# KiCad board analog_frontend_panel.kicad_pcb
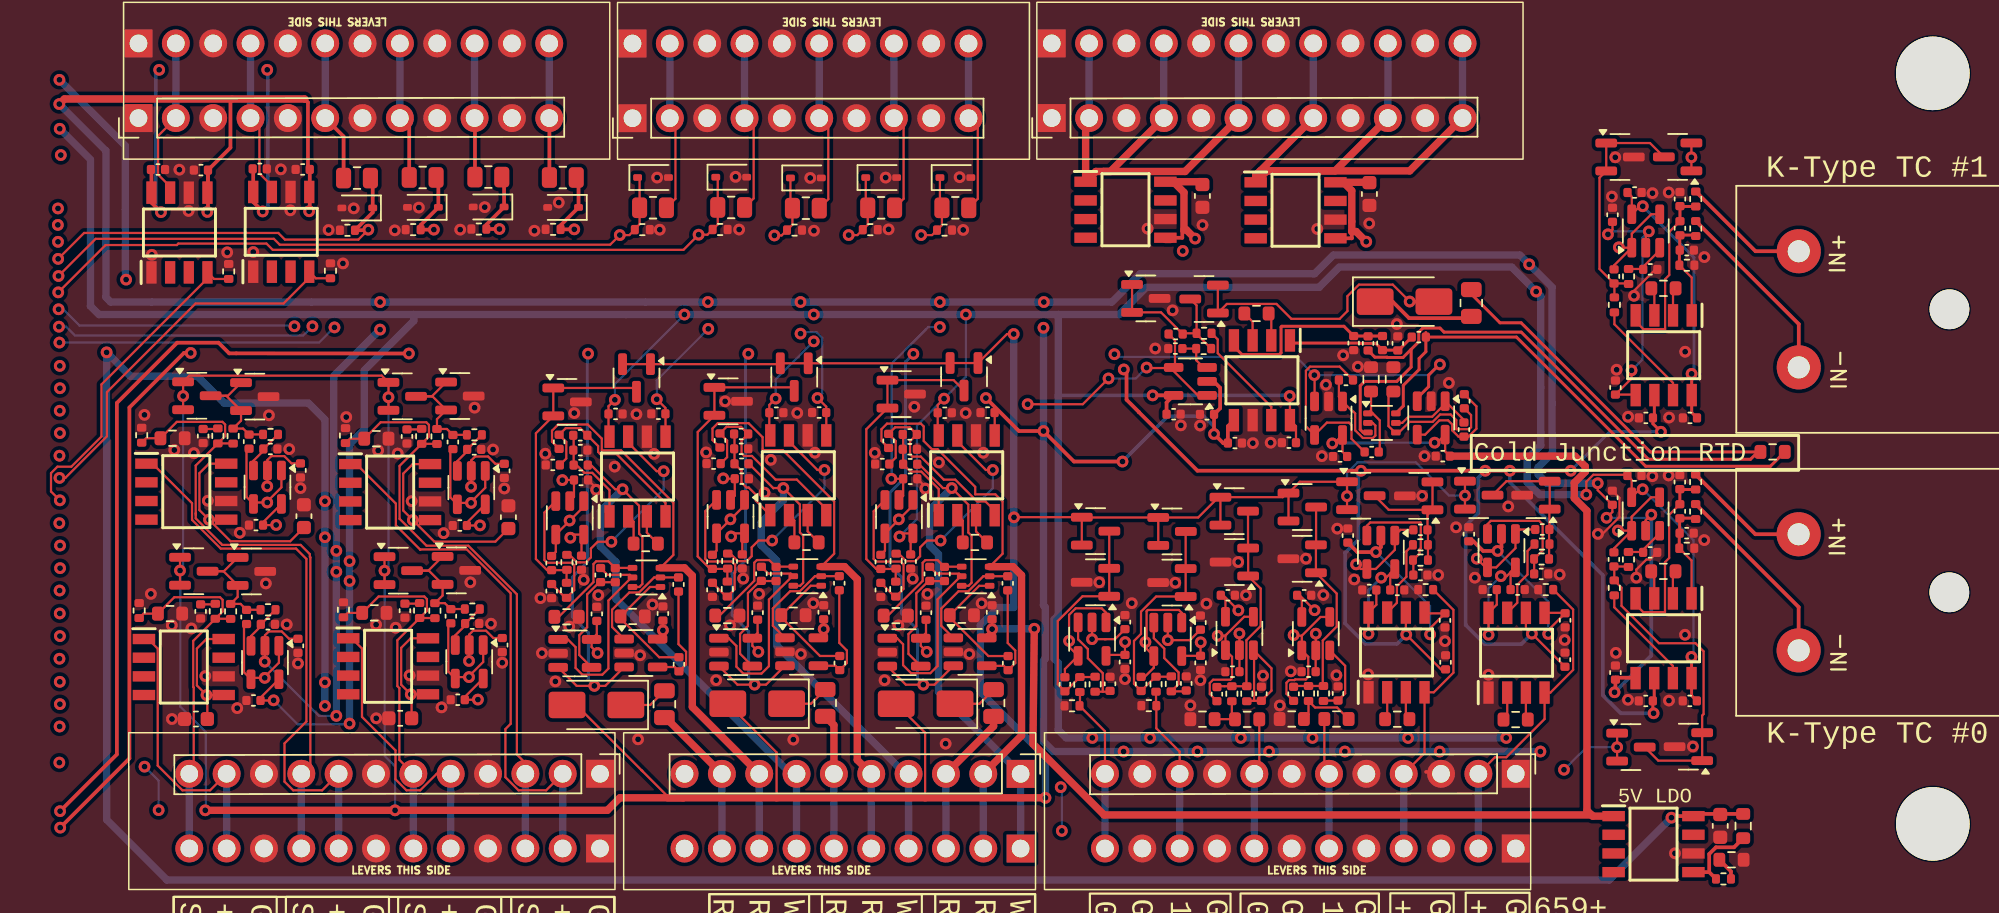
[diagram p0: board, top side]
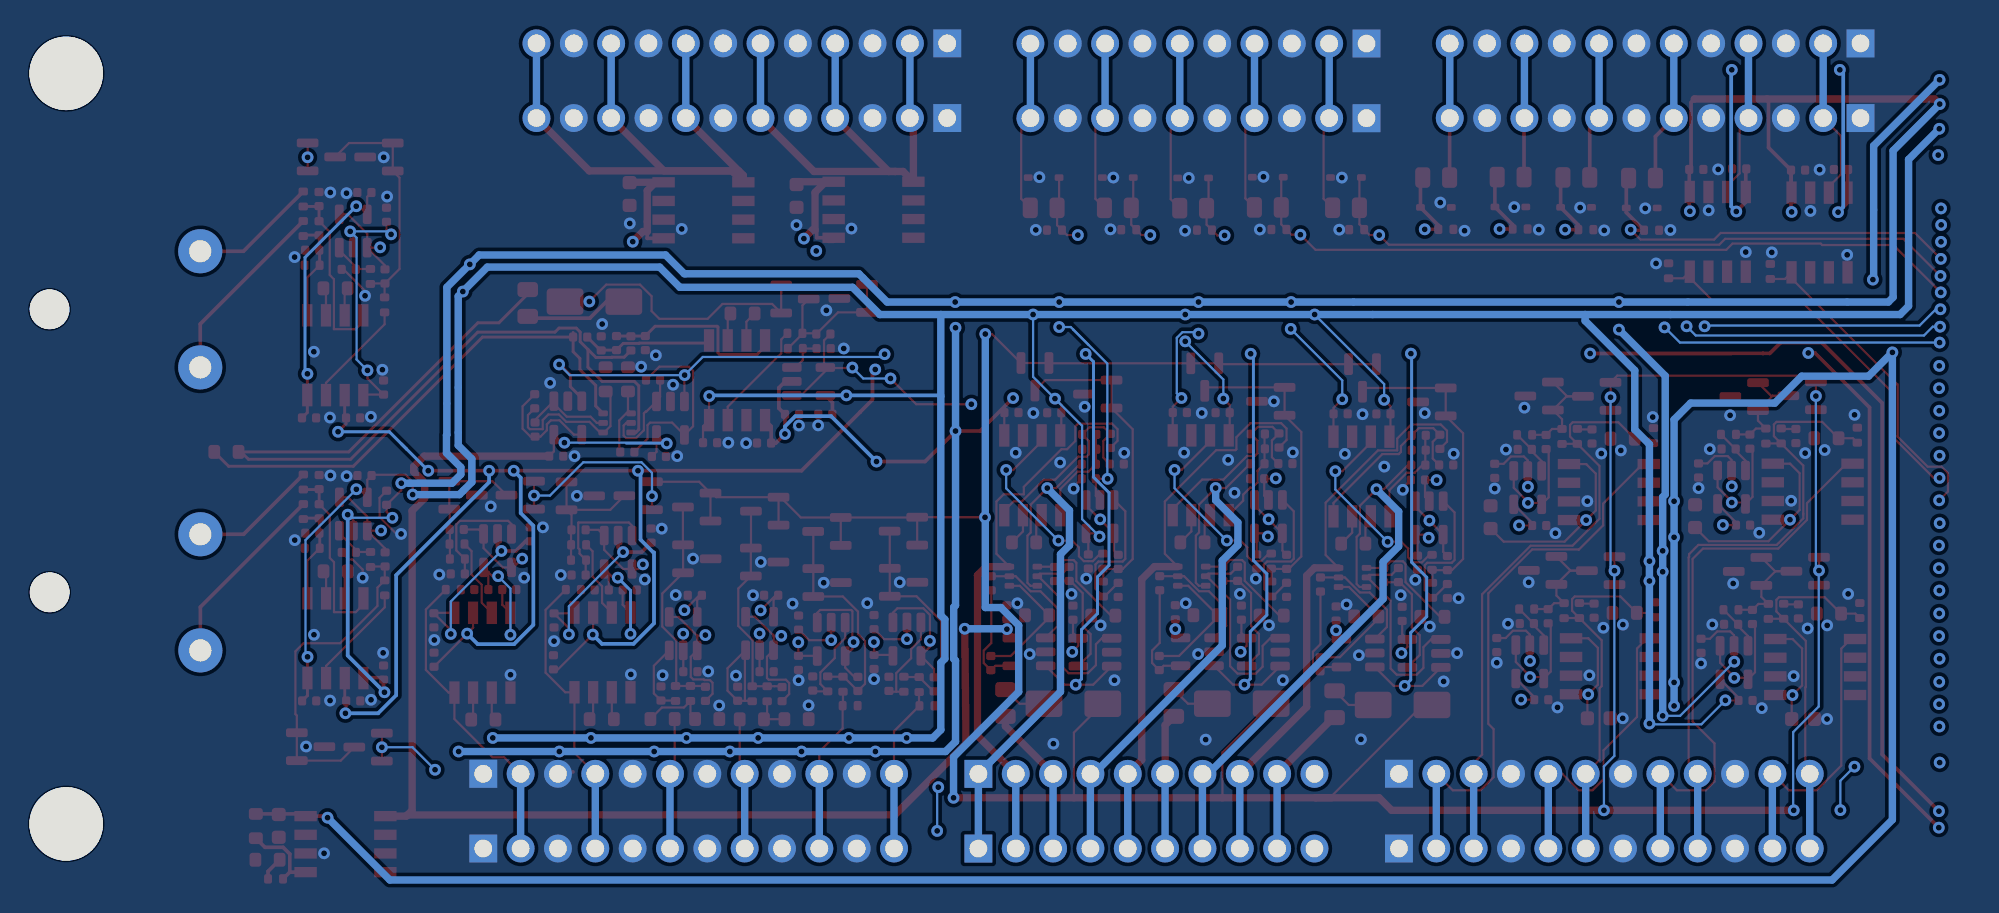
[diagram p1: board, bottom side, seen from below]

No outline. copper layers: Top, In1.Cu, In2.Cu, Bottom. Coordinates in mm from the lowest, leftmost part position.
Stack: Top 0.035mm / dielectric 1.51mm FR4 er 4.5 / In1.Cu 0.035mm / dielectric 1.51mm FR4 er 4.5 / In2.Cu 0.035mm / dielectric 1.51mm FR4 er 4.5 / Bottom 0.035mm

## Placement (name value [footprint] x y rotation side)
C1  2.2uF  [C_0402_1005Metric]  104.84 26.99 90 top
C2  1uF  [C_0402_1005Metric]  104.84 25.01 270 top
C3  2.2uF  [C_0402_1005Metric]  105.31 23.52 0 top
C4  0.1uF  [C_0402_1005Metric]  105.52 12.11 180 top
C6  0.1uF  [C_0402_1005Metric]  102.53 12.11 0 top
C7  2.2uF  [C_0402_1005Metric]  104.85 46.24 90 top
C8  1uF  [C_0402_1005Metric]  104.85 44.26 270 top
C9  2.2uF  [C_0402_1005Metric]  105.32 42.77 0 top
C10  0.1uF  [C_0402_1005Metric]  105.53 31.36 180 top
C12  0.1uF  [C_0402_1005Metric]  102.53 31.36 0 top
C25  10nF  [C_0402_1005Metric]  4.23 18.2 270 top
C28  10nF  [C_0402_1005Metric]  4.4 30.12 270 top
C31  10nF  [C_0402_1005Metric]  18.12 18.25 270 top
C34  10nF  [C_0402_1005Metric]  18.26 30.1 270 top
C49  2.2uF  [C_0402_1005Metric]  28.18 28.16 0 top
C50  1uF  [C_0402_1005Metric]  30.05 30.18 180 top
C51  2.2uF  [C_0402_1005Metric]  30.05 29.17 0 top
C52  0.1uF  [C_0402_1005Metric]  32.45 31.63 0 top
C55  0.1uF  [C_0402_1005Metric]  35.67 18.05 90 top
C58  0.1uF  [C_0402_1005Metric]  31.17 18.03 90 top
C60  2.2uF  [C_0402_1005Metric]  82.66 36.45 90 top
C61  1uF  [C_0402_1005Metric]  84.62 36.45 270 top
C62  2.2uF  [C_0402_1005Metric]  85.66 36.43 90 top
C63  0.1uF  [C_0402_1005Metric]  78.25 29.67 180 top
C66  0.1uF  [C_0402_1005Metric]  81.73 28.73 180 top
C69  0.1uF  [C_0402_1005Metric]  88.72 28.76 180 top
C71  2.2uF  [C_0402_1005Metric]  39.12 28.25 0 top
C72  1uF  [C_0402_1005Metric]  40.99 30.27 180 top
C73  2.2uF  [C_0402_1005Metric]  40.99 29.26 0 top
C74  0.1uF  [C_0402_1005Metric]  43.39 31.71 0 top
C77  0.1uF  [C_0402_1005Metric]  46.61 18.14 90 top
C80  0.1uF  [C_0402_1005Metric]  42.11 18.11 90 top
C82  2.2uF  [C_0402_1005Metric]  50.59 28.22 0 top
C83  1uF  [C_0402_1005Metric]  52.46 30.24 180 top
C84  2.2uF  [C_0402_1005Metric]  52.46 29.23 0 top
C85  0.1uF  [C_0402_1005Metric]  54.84 31.71 0 top
C88  0.1uF  [C_0402_1005Metric]  58.06 18.13 90 top
C91  0.1uF  [C_0402_1005Metric]  53.57 18.11 90 top
C1001  0.1uF 50V 0603  [C_0603_1608Metric]  107.59 3.61 90 top
C1002  0.1uF 50V 0603  [C_0603_1608Metric]  83.73 46.59 90 top
C1003  0.1uF 50V 0603  [C_0603_1608Metric]  72.37 46.46 90 top
C5001  10nF C0G 5%  [C_0402_1005Metric]  102.82 22.21 180 top
C5002  10nF C0G 5%  [C_0402_1005Metric]  100.36 21.73 90 top
C5003  0.1uF  [C_0402_1005Metric]  101.76 27.44 180 top
C5004  0.1uF  [C_0402_1005Metric]  100.26 45.18 270 top
C6001  0.1uF  [C_0402_1005Metric]  100.46 33.43 270 top
C7001  0.1uF  [C_0402_1005Metric]  100.46 14.03 270 top
C8001  10nF C0G 5%  [C_0402_1005Metric]  102.83 41.46 180 top
C8002  10nF C0G 5%  [C_0402_1005Metric]  100.37 40.98 90 top
C8003  0.1uF  [C_0402_1005Metric]  101.76 46.69 180 top
C8004  0.1uF  [C_0402_1005Metric]  100.25 25.93 270 top
C9001  10nF C0G 5%  [C_0402_1005Metric]  87.19 20.67 180 top
C9002  10nF C0G 5%  [C_0402_1005Metric]  87.2 23.74 180 top
C9003  0.1uF  [C_0402_1005Metric]  85.62 19.65 180 top
C9004  0.1uF  [C_0402_1005Metric]  82.26 23.36 270 top
C10001  0.1uF 50V 0603  [C_0603_1608Metric]  3.91 10.88 0 top
C11001  0.1uF 50V 0603  [C_0603_1608Metric]  11.25 24.68 270 top
C12001  0.1uF 50V 0603  [C_0603_1608Metric]  17.8 10.93 0 top
C13001  0.1uF 50V 0603  [C_0603_1608Metric]  25.16 24.61 270 top
C14001  10nF C0G 5%  [C_0402_1005Metric]  95.41 20.75 180 top
C14002  10nF C0G 5%  [C_0402_1005Metric]  95.49 23.77 180 top
C14003  0.1uF  [C_0402_1005Metric]  93.81 19.68 180 top
C14004  0.1uF  [C_0402_1005Metric]  90.49 23.45 270 top
C15001  10nF C0G 5%  [C_0402_1005Metric]  28.1 19.58 90 top
C15002  10nF C0G 5%  [C_0402_1005Metric]  28.1 21.48 90 top
C15003  0.1uF  [C_0402_1005Metric]  30.13 21.51 90 top
C15004  0.1uF  [C_0402_1005Metric]  30.1 27.14 180 top
C16001  10nF C0G 5%  [C_0402_1005Metric]  8.8 17.32 180 top
C16002  10nF C0G 5%  [C_0402_1005Metric]  7.35 17.82 270 top
C16003  0.1uF  [C_0402_1005Metric]  7.82 12.14 0 top
C16004  0.1uF  [C_0402_1005Metric]  10.85 15.86 90 top
C17001  10nF C0G 5%  [C_0402_1005Metric]  39.04 19.66 90 top
C17002  10nF C0G 5%  [C_0402_1005Metric]  39.04 21.57 90 top
C17003  0.1uF  [C_0402_1005Metric]  41.07 21.59 90 top
C17004  0.1uF  [C_0402_1005Metric]  41.04 27.22 180 top
C18001  10nF C0G 5%  [C_0402_1005Metric]  50.49 19.66 90 top
C18002  10nF C0G 5%  [C_0402_1005Metric]  50.49 21.56 90 top
C18003  0.1uF  [C_0402_1005Metric]  52.52 21.59 90 top
C18004  0.1uF  [C_0402_1005Metric]  52.49 27.22 180 top
C20001  10nF C0G 5%  [C_0402_1005Metric]  70.53 36.07 0 top
C20002  10nF C0G 5%  [C_0402_1005Metric]  70.55 37.06 180 top
C20003  0.1uF  [C_0402_1005Metric]  70.41 31.61 180 top
C20004  0.1uF  [C_0402_1005Metric]  72.68 31.6 0 top
C21001  10nF C0G 5%  [C_0402_1005Metric]  66.09 13.27 270 top
C21002  10nF C0G 5%  [C_0402_1005Metric]  63.01 13.24 90 top
C21003  0.1uF  [C_0402_1005Metric]  67.1 14.76 90 top
C21004  0.1uF  [C_0402_1005Metric]  67.1 17.47 270 top
C24001  10nF C0G 5%  [C_0402_1005Metric]  81.59 12.61 270 top
C24002  10nF C0G 5%  [C_0402_1005Metric]  78.57 12.59 270 top
C24003  0.1uF  [C_0402_1005Metric]  79.29 19.29 180 top
C24004  0.1uF  [C_0402_1005Metric]  79.59 14.1 0 top
C25001  10nF C0G 5%  [C_0402_1005Metric]  71.27 13.29 270 top
C25002  10nF C0G 5%  [C_0402_1005Metric]  68.2 13.26 90 top
C25003  0.1uF  [C_0402_1005Metric]  72.24 14.69 90 top
C25004  0.1uF  [C_0402_1005Metric]  72.23 17.43 270 top
C28001  0.1uF  [C_0402_1005Metric]  7.99 24.06 0 top
C28002  0.1uF  [C_0402_1005Metric]  11.02 27.78 90 top
C30001  10nF C0G 5%  [C_0402_1005Metric]  8.97 29.24 180 top
C30002  10nF C0G 5%  [C_0402_1005Metric]  7.52 29.74 270 top
C30003  0.1uF  [C_0402_1005Metric]  21.72 12.19 0 top
C30004  0.1uF  [C_0402_1005Metric]  24.74 15.91 90 top
C31001  0.1uF  [C_0402_1005Metric]  83.72 19.65 0 top
C31002  0.1uF  [C_0402_1005Metric]  21.86 24.04 0 top
C31003  0.1uF  [C_0402_1005Metric]  24.88 27.75 90 top
C32002  10nF C0G 5%  [C_0402_1005Metric]  22.7 17.37 180 top
C32003  10nF C0G 5%  [C_0402_1005Metric]  21.25 17.87 270 top
C32005  0.1uF  [C_0402_1005Metric]  91.91 19.68 0 top
C32006  0.1uF  [C_0402_1005Metric]  11.17 48.26 0 top
C33002  10nF C0G 5%  [C_0402_1005Metric]  22.84 29.22 180 top
C33003  10nF C0G 5%  [C_0402_1005Metric]  21.39 29.72 270 top
C33006  0.1uF  [C_0402_1005Metric]  88.91 14.73 270 top
C33007  0.1uF  [C_0402_1005Metric]  88.87 17.58 90 top
C34002  0.1uF  [C_0402_1005Metric]  8.25 48.3 180 top
C34003  0.1uF  [C_0402_1005Metric]  97.03 14.91 270 top
C34004  0.1uF  [C_0402_1005Metric]  97.04 17.59 90 top
C37001  0.1uF  [C_0402_1005Metric]  1.33 48.25 180 top
C39003  0.1uF  [C_0402_1005Metric]  4.25 48.21 0 top
C42002  0.1uF  [C_0402_1005Metric]  74.1 19.29 180 top
C42003  0.1uF  [C_0402_1005Metric]  74.41 14.09 0 top
C44001  10nF C0G 5%  [C_0402_1005Metric]  76.38 12.59 270 top
C44002  10nF C0G 5%  [C_0402_1005Metric]  73.35 12.57 270 top
C44004  0.1uF  [C_0402_1005Metric]  74.58 29.65 0 top
C44005  10nF  [C_0402_1005Metric]  82.13 33.94 180 top
C44006  10nF  [C_0402_1005Metric]  90.16 30.57 90 top
C45002  0.1uF  [C_0402_1005Metric]  35.36 31.64 180 top
C45003  10nF  [C_0402_1005Metric]  36.73 20.03 90 top
C45004  10nF  [C_0402_1005Metric]  31.43 20.67 90 top
C46001  0.1uF  [C_0402_1005Metric]  46.3 31.72 180 top
C46002  10nF  [C_0402_1005Metric]  47.67 20.11 90 top
C46003  10nF  [C_0402_1005Metric]  42.37 20.75 90 top
C47001  0.1uF  [C_0402_1005Metric]  57.75 31.72 180 top
C47002  10nF  [C_0402_1005Metric]  59.12 20.11 90 top
C47003  10nF  [C_0402_1005Metric]  53.82 20.75 90 top
D7  D_Schottky  [D_SMA]  31.15 11.83 180 top
D8  D_Schottky  [D_SMA]  86.12 39.27 0 top
D9  D_Schottky  [D_SMA]  42.09 11.92 180 top
D10  D_Schottky  [D_SMA]  53.54 11.91 180 top
D19001  BZT52C5V6S  [D_SOD-323]  19.35 45.68 180 top
D26001  BZT52C5V6S  [D_SOD-323]  23.82 45.71 180 top
D27001  BZT52C5V6S  [D_SOD-323]  28.88 45.68 180 top
D33001  BZT52C5V6S  [D_SOD-323]  14.88 45.64 180 top
D38001  BZT52C5V6S  [D_SOD-323]  35 47.71 0 top
D39001  BZT52C5V6S  [D_SOD-323]  40.32 47.73 0 top
D39002  BZT52C5V6S  [D_SOD-323]  55.56 47.71 0 top
D40001  BZT52C5V6S  [D_SOD-323]  50.52 47.71 0 top
D42001  BZT52C5V6S  [D_SOD-323]  45.4 47.68 0 top
H1001  MountingHole_for_10-32  [MountingHole_5mm]  122.05 3.74 180 top
H1002  MountingHole_for_10-32  [MountingHole_5mm]  122.05 54.8 180 top
IC1  INA826AIDR  [SOIC127P600X175-8N]  103.74 16.37 270 top
IC2  INA826AIDR  [SOIC127P600X175-8N]  103.74 35.62 270 top
IC12  INA826AIDR  [SOIC127P600X175-8N]  33.94 27.37 90 top
IC13  TLV333IDBVR  [SOT-23-5]  34.17 15.36 0 top
IC14  TLV333IDBVR  [SOT-23-5]  29.68 15.34 0 top
IC15  INA826AIDR  [SOIC127P600X175-8N]  76.42 33.92 270 top
IC16  TLV333IDBVR  [SOT-23-5]  80.95 31.34 270 top
IC17  TLV333IDBVR  [SOT-23-5]  87.93 31.36 270 top
IC18  INA826AIDR  [SOIC127P600X175-8N]  44.88 27.46 90 top
IC19  TLV333IDBVR  [SOT-23-5]  45.11 15.45 0 top
IC20  TLV333IDBVR  [SOT-23-5]  40.62 15.42 0 top
IC21  INA826AIDR  [SOIC127P600X175-8N]  56.33 27.45 90 top
IC22  TLV333IDBVR  [SOT-23-5]  56.56 15.44 0 top
IC23  TLV333IDBVR  [SOT-23-5]  52.07 15.42 0 top
IC1001  BD42540FJ-CE2  [SOIC127P600X175-8N]  67.13 45.52 0 top
IC1002  BD42540FJ-CE2  [SOIC127P600X175-8N]  103.05 2.37 0 top
IC1003  BD42540FJ-CE2  [SOIC127P600X175-8N]  78.7 45.48 0 top
IC31001  INA826AIDR  [SOIC127P600X175-8N]  85.57 15.41 90 top
IC32001  BD42540FJ-CE2  [SOIC127P600X175-8N]  3.08 14.41 0 top
IC32002  INA826AIDR  [SOIC127P600X175-8N]  93.74 15.39 90 top
IC33001  BD42540FJ-CE2  [SOIC127P600X175-8N]  3.25 26.34 0 top
IC34001  BD42540FJ-CE2  [SOIC127P600X175-8N]  16.98 14.46 0 top
IC34002  INA826AIDR  [SOIC127P600X175-8N]  9.71 44.01 90 top
IC35001  BD42540FJ-CE2  [SOIC127P600X175-8N]  17.12 26.31 0 top
IC37001  INA826AIDR  [SOIC127P600X175-8N]  2.79 43.97 90 top
J12  -  [AM-K-PCB]  127.17 19.49 270 top
J13  -  [AM-K-PCB]  127.18 38.75 270 top
J1001  Screw_Terminal_01x12  [KF141V-2.54-12P]  0 51.75 90 top
J1003  Screw_Terminal_01x10  [KF141V-2.54-10P]  33.6 51.75 90 top
J1004  Screw_Terminal_01x12  [KF141V-2.54-12P]  31.39 7.15 270 top
J1005  Screw_Terminal_01x12  [KF141V-2.54-12P]  93.68 7.15 270 top
J1006  Screw_Terminal_01x10  [KF141V-2.54-10P]  60 7.15 270 top
J1007  Screw_Terminal_01x12  [KF141V-2.54-12P]  62.12 51.76 90 top
Q5001  MMBFJ113  [SOT-23]  101.51 8.97 0 top
Q5002  MMBFJ113  [SOT-23]  105.42 9 180 top
Q8001  MMBFJ113  [SOT-23]  104.69 49.11 180 top
Q8002  MMBFJ113  [SOT-23]  100.77 49.11 0 top
Q9001  MMBFJ113  [SOT-23]  83.14 26.06 0 top
Q9002  MMBFJ113  [SOT-23]  87.08 26.06 180 top
Q14001  MMBFJ113  [SOT-23]  91.16 26.11 0 top
Q14002  MMBFJ113  [SOT-23]  95.05 26.1 180 top
Q15001  MMBFJ113  [SOT-23]  33.87 34.08 270 top
Q15002  MMBFJ113  [SOT-23]  29.15 32.45 0 top
Q16001  MMBFJ113  [SOT-23]  3.76 20.93 0 top
Q16002  MMBFJ113  [SOT-23]  7.68 20.92 0 top
Q17001  MMBFJ113  [SOT-23]  44.6 34.14 270 top
Q17002  MMBFJ113  [SOT-23]  40.11 32.49 0 top
Q18001  MMBFJ113  [SOT-23]  56.15 34.16 270 top
Q18002  MMBFJ113  [SOT-23]  51.88 32.98 0 top
Q20001  MMBFJ113  [SOT-23]  72.48 39.45 180 top
Q20002  MMBFJ113  [SOT-23]  68.52 39.49 0 top
Q21001  MMBFJ113  [SOT-23]  65.1 23.66 0 top
Q21002  MMBFJ113  [SOT-23]  65.09 20.18 180 top
Q24001  MMBFJ113  [SOT-23]  79.16 25.3 0 top
Q24002  MMBFJ113  [SOT-23]  79.15 21.77 180 top
Q25001  MMBFJ113  [SOT-23]  70.3 23.64 0 top
Q25002  MMBFJ113  [SOT-23]  70.29 20.16 180 top
Q28001  MMBFJ113  [SOT-23]  3.97 32.87 0 top
Q28002  MMBFJ113  [SOT-23]  7.91 32.81 0 top
Q30001  MMBFJ113  [SOT-23]  17.67 20.97 0 top
Q30002  MMBFJ113  [SOT-23]  21.62 20.99 0 top
Q31001  MMBFJ113  [SOT-23]  17.94 32.83 0 top
Q31002  MMBFJ113  [SOT-23]  21.86 32.85 0 top
Q42001  MMBFJ113  [SOT-23]  74.53 25.02 0 top
Q42002  MMBFJ113  [SOT-23]  74.54 21.55 180 top
R1  PTS060301B100RP100  [R_0603_1608Metric]  111.15 29.05 180 top
R2  10  [R_0402_1005Metric]  105.92 27 270 top
R3  10  [R_0402_1005Metric]  105.92 24.99 90 top
R4  1M  [R_0402_1005Metric]  105.31 22.49 0 top
R6  RNCF0603TKY2K00 2k 0.01% 5ppm/C  [R_0603_1608Metric]  103.72 20.92 180 top
R7  10  [R_0402_1005Metric]  105.93 46.25 270 top
R8  10  [R_0402_1005Metric]  105.93 44.24 90 top
R9  1M  [R_0402_1005Metric]  105.32 41.74 0 top
R11  RNCF0603TKY2K00 2k 0.01% 5ppm/C  [R_0603_1608Metric]  103.73 40.17 180 top
R22  200R  [R_0402_1005Metric]  5.23 18.21 270 top
R23  RNCF0603TKY75R0 75R 0.01% 5ppm/C  [R_0603_1608Metric]  2.15 18.05 180 top
R24  200R  [R_0402_1005Metric]  5.4 30.13 270 top
R25  RNCF0603TKY75R0 75R 0.01% 5ppm/C  [R_0603_1608Metric]  2.32 29.97 180 top
R26  200R  [R_0402_1005Metric]  19.12 18.25 270 top
R27  RNCF0603TKY75R0 75R 0.01% 5ppm/C  [R_0603_1608Metric]  16.04 18.09 180 top
R28  200R  [R_0402_1005Metric]  19.26 30.1 270 top
R29  RNCF0603TKY75R0 75R 0.01% 5ppm/C  [R_0603_1608Metric]  16.18 29.95 180 top
R40  RNCF0603TKY2K00 2k 0.01% 5ppm/C  [R_0603_1608Metric]  34.5 22.81 0 top
R41  300  [R_0805_2012Metric]  35.77 11.88 270 top
R42  10  [C_0402_1005Metric]  28.61 29.73 270 top
R43  10  [C_0402_1005Metric]  30.08 28.15 0 top
R44  RNCF0603TKW10K0 10k 0.01% 5ppm/C  [R_0603_1608Metric]  33.61 17.85 0 top
R47  RNCF0603TKW10K0 10k 0.01% 5ppm/C  [R_0603_1608Metric]  29.12 17.83 0 top
R49  RNCF0603TKY2K00 2k 0.01% 5ppm/C  [R_0603_1608Metric]  76.05 38.46 180 top
R50  300  [R_0805_2012Metric]  90.66 39.17 90 top
R51  10  [C_0402_1005Metric]  83.64 36.43 270 top
R52  10  [C_0402_1005Metric]  87.09 36.86 0 top
R53  RNCF0603TKW10K0 10k 0.01% 5ppm/C  [R_0603_1608Metric]  83.84 33.98 90 top
R56  RNCF0603TKW10K0 10k 0.01% 5ppm/C  [R_0603_1608Metric]  85.36 33.98 90 top
R58  RNCF0603TKY2K00 2k 0.01% 5ppm/C  [R_0603_1608Metric]  45.44 22.89 0 top
R59  300  [R_0805_2012Metric]  46.71 11.97 270 top
R60  10  [C_0402_1005Metric]  39.55 29.82 270 top
R61  10  [C_0402_1005Metric]  41.02 28.24 0 top
R62  RNCF0603TKW10K0 10k 0.01% 5ppm/C  [R_0603_1608Metric]  44.55 17.94 0 top
R65  RNCF0603TKW10K0 10k 0.01% 5ppm/C  [R_0603_1608Metric]  40.05 17.91 0 top
R67  RNCF0603TKY2K00 2k 0.01% 5ppm/C  [R_0603_1608Metric]  56.89 22.89 0 top
R68  300  [R_0805_2012Metric]  58.16 11.96 270 top
R69  10  [C_0402_1005Metric]  51.02 29.79 270 top
R70  10  [C_0402_1005Metric]  52.49 28.21 0 top
R71  RNCF0603TKW10K0 10k 0.01% 5ppm/C  [R_0603_1608Metric]  56 17.93 0 top
R74  RNCF0603TKW10K0 10k 0.01% 5ppm/C  [R_0603_1608Metric]  51.51 17.91 0 top
R1001  10k 1%  [R_0402_1005Metric]  107.81 0 0 top
R1002  51k 0603  [R_0603_1608Metric]  108.35 1.3 180 top
R1003  243k 0603  [R_0603_1608Metric]  109.15 3.59 90 top
R5001  10k 1%  [R_0402_1005Metric]  100.38 19.8 90 top
R5002  10k 1%  [R_0402_1005Metric]  101.35 21.73 90 top
R8001  10k 1%  [R_0402_1005Metric]  100.39 39.05 90 top
R8002  10k 1%  [R_0402_1005Metric]  101.36 40.98 90 top
R9001  10k 1%  [R_0402_1005Metric]  87.19 22.73 0 top
R9002  10k 1%  [R_0402_1005Metric]  87.2 21.68 180 top
R10001  1M  [R_0402_1005Metric]  0.05 18.25 90 top
R11001  1M  [R_0402_1005Metric]  0.22 30.18 90 top
R12001  1M  [R_0402_1005Metric]  13.94 18.31 90 top
R13001  1M  [R_0402_1005Metric]  14.08 30.16 90 top
R14001  100k 1%  [R_0402_1005Metric]  95.47 22.78 180 top
R14002  100k 1%  [R_0402_1005Metric]  95.44 21.76 0 top
R15001  3.3k 1%  [R_0402_1005Metric]  29.14 21.54 270 top
R15002  3.3k 1%  [R_0402_1005Metric]  29.12 19.63 270 top
R16001  3.3k 1%  [R_0402_1005Metric]  6.27 18.2 90 top
R16002  3.3k 1%  [R_0402_1005Metric]  8.81 18.31 0 top
R17001  3.3k 1%  [R_0402_1005Metric]  40.08 21.62 270 top
R17002  3.3k 1%  [R_0402_1005Metric]  40.05 19.72 270 top
R18001  3.3k 1%  [R_0402_1005Metric]  51.53 21.62 270 top
R18002  3.3k 1%  [R_0402_1005Metric]  51.51 19.71 270 top
R19001  1M  [R_0402_1005Metric]  18.68 44.17 180 top
R19002  49.9  [R_0805_2012Metric]  19.33 47.71 180 top
R20001  100k 1%  [R_0402_1005Metric]  72.45 36.07 0 top
R20002  100k 1%  [R_0402_1005Metric]  72.48 37.11 0 top
R21001  3.3k 1%  [R_0402_1005Metric]  64.03 13.22 90 top
R21002  3.3k 1%  [R_0402_1005Metric]  65.07 13.24 270 top
R22001  1M  [R_0402_1005Metric]  68.72 11.78 180 top
R23001  RNCF0603TKW10K0 10k 0.01% 5ppm/C  [R_0603_1608Metric]  81.49 10.88 180 top
R23002  RNCF0603TKY2K00 2k 0.01% 5ppm/C  [R_0603_1608Metric]  78.45 10.87 180 top
R24001  3.3k 1%  [R_0402_1005Metric]  79.59 12.61 90 top
R24002  3.3k 1%  [R_0402_1005Metric]  80.6 12.61 270 top
R25001  3.3k 1%  [R_0402_1005Metric]  69.21 13.24 90 top
R25002  3.3k 1%  [R_0402_1005Metric]  70.25 13.27 270 top
R26001  1M  [R_0402_1005Metric]  23.15 44.21 180 top
R26002  49.9  [R_0805_2012Metric]  23.8 47.74 180 top
R27001  1M  [R_0402_1005Metric]  28.2 44.19 180 top
R27002  49.9  [R_0805_2012Metric]  28.86 47.71 180 top
R27003  1M  [R_0402_1005Metric]  63.5 11.77 180 top
R30001  3.3k 1%  [R_0402_1005Metric]  6.44 30.12 90 top
R30002  3.3k 1%  [R_0402_1005Metric]  8.98 30.23 0 top
R31001  RNCF0603TKY2K00 2k 0.01% 5ppm/C  [R_0603_1608Metric]  85.62 10.86 0 top
R31002  1M  [R_0402_1005Metric]  87.55 19.68 180 top
R32001  3.3k 1%  [R_0402_1005Metric]  20.16 18.25 90 top
R32002  3.3k 1%  [R_0402_1005Metric]  22.71 18.36 0 top
R32003  RNCF0603TKY75R0 75R 0.01% 5ppm/C  [R_0603_1608Metric]  93.67 10.84 0 top
R32004  1M  [R_0402_1005Metric]  95.72 19.68 180 top
R33001  3.3k 1%  [R_0402_1005Metric]  20.3 30.09 90 top
R33002  3.3k 1%  [R_0402_1005Metric]  22.85 30.21 0 top
R33003  1M  [R_0402_1005Metric]  14.21 44.12 180 top
R33004  49.9  [R_0805_2012Metric]  14.86 47.67 180 top
R34001  1M  [R_0402_1005Metric]  13.06 41.37 90 top
R37001  1M  [R_0402_1005Metric]  6.13 41.32 90 top
R38001  49.9  [R_0805_2012Metric]  35 45.65 180 top
R38002  1M  [R_0402_1005Metric]  34.27 44.16 0 top
R39001  49.9  [R_0805_2012Metric]  40.31 45.67 180 top
R39002  1M  [R_0402_1005Metric]  39.56 44.17 0 top
R39003  49.9  [R_0805_2012Metric]  55.56 45.65 180 top
R39004  1M  [R_0402_1005Metric]  54.82 44.13 0 top
R40001  49.9  [R_0805_2012Metric]  50.52 45.65 180 top
R40002  1M  [R_0402_1005Metric]  49.78 44.16 0 top
R42001  49.9  [R_0805_2012Metric]  45.39 45.62 180 top
R42002  1M  [R_0402_1005Metric]  44.62 44.13 0 top
R44001  3.3k 1%  [R_0402_1005Metric]  74.37 12.59 90 top
R44002  3.3k 1%  [R_0402_1005Metric]  75.39 12.59 270 top
R44003  10k 1%  [C_0402_1005Metric]  83.88 29.04 180 top
R44004  10k 1%  [C_0402_1005Metric]  90.18 32.49 270 top
R45001  10k 1%  [C_0402_1005Metric]  36.76 14.6 270 top
R45002  10k 1%  [C_0402_1005Metric]  32.43 20.66 90 top
R45003  RNCF0603TKY2K00 2k 0.01% 5ppm/C  [R_0603_1608Metric]  72.37 10.87 180 top
R45004  RNCF0603TKW10K0 10k 0.01% 5ppm/C  [R_0603_1608Metric]  75.41 10.86 0 top
R46001  10k 1%  [C_0402_1005Metric]  47.7 14.68 270 top
R46002  10k 1%  [C_0402_1005Metric]  43.37 20.74 90 top
R47001  10k 1%  [C_0402_1005Metric]  59.15 14.68 270 top
R47002  10k 1%  [C_0402_1005Metric]  54.82 20.74 90 top
U1  NTJD4001NT1G  [SOT-363_SC-70-6]  34.55 20.51 180 top
U2  NTJD4001NT1G  [SOT-363_SC-70-6]  84.58 31.02 0 top
U3  NTJD4001NT1G  [SOT-363_SC-70-6]  45.49 20.59 180 top
U4  NTJD4001NT1G  [SOT-363_SC-70-6]  56.94 20.59 180 top
U5001  OPA196xDBV  [SOT-23-5]  102.52 24.82 90 top
U8001  OPA196xDBV  [SOT-23-5]  102.52 44.07 90 top
U9001  OPA196xDBV  [SOT-23-5]  84.5 22.22 270 top
U14002  OPA196xDBV  [SOT-23-5]  92.71 22.33 270 top
U15001  OPA196xDBV  [SOT-23-5]  29.33 24.56 270 top
U16001  OPA196xDBV  [SOT-23-5]  8.6 14.72 270 top
U17001  OPA196xDBV  [SOT-23-5]  40.27 24.64 270 top
U18001  OPA196xDBV  [SOT-23-5]  51.73 24.64 270 top
U20002  OPA196xDBV  [SOT-23-5]  71.55 33.84 180 top
U21001  OPA196xDBV  [SOT-23-5]  64.86 16.31 270 top
U24001  OPA196xDBV  [SOT-23-5]  80.08 16.68 90 top
U25001  OPA196xDBV  [SOT-23-5]  70.01 16.3 270 top
U28001  OPA196xDBV  [SOT-23-5]  8.77 26.64 270 top
U30001  OPA196xDBV  [SOT-23-5]  22.5 14.77 270 top
U31001  OPA196xDBV  [SOT-23-5]  22.64 26.62 270 top
U42002  OPA196xDBV  [SOT-23-5]  74.88 16.69 90 top

## Library data of the parts
C1-C4 C6-C10 C12 C49-C52 C55 C58 C60-C63 C66 C69 C71-C74 C77 C80 C82-C85 C88 C91 C5003 C5004 C6001 C7001 C8003 C8004 C9003 C9004 C14003 C14004 C15003 C15004 C16003 C16004 C17003 C17004 C18003 C18004 C20003 C20004 C21003 C21004 C24003 C24004 C25003 C25004 C28001 C28002 C30003 C30004 C31001-C31003 C32005 C32006 C33006 C33007 C34002-C34004 C37001 C39003 C42002 C42003 C44004 C45002 C46001 C47001 = -: ki_fp_filters: C_*
C25 C28 C31 C34 C44005 C44006 C45003 C45004 C46002 C46003 C47002 C47003 = -: LCSC: C15195; ki_fp_filters: C_*
C1001-C1003 C10001 C11001 C12001 C13001 = -: Description: Unpolarized capacitor, small symbol; LCSC: C14663; ki_fp_filters: C_*
C5001 C5002 C8001 C8002 C9001 C9002 C14001 C14002 C15001 C15002 C16001 C16002 C17001 C17002 C18001 C18002 C20001 C20002 C21001 C21002 C24001 C24002 C25001 C25002 C30001 C30002 C32002 C32003 C33002 C33003 C44001 C44002 = -: LCSC: C3855387; ki_fp_filters: C_*
D7-D10 = -: LCSC: C22452; ki_fp_filters: TO-???* *_Diode_* *SingleDiode* D_*
D19001 D26001 D27001 D33001 D38001 D39001 D39002 D40001 D42001 = -: LCSC: C5184420; ki_fp_filters: TO-???* *_Diode_* *SingleDiode* D_*
H1001 H1002 = -: ki_fp_filters: MountingHole*
IC1 IC2 IC12 IC15 IC18 IC21 IC31001 IC32002 IC34002 IC37001 = -: Datasheet: http://www.ti.com/lit/gpn/ina826; Description: Precision, 200-uA Supply Current, 36-V Supply Instrumentation Amplifier; Height: 1.75; Manufacturer_Name: Texas Instruments; Mouser Part Number: 595-INA826AIDR; Mouser Price/Stock: https://www.mouser.co.uk/ProductDetail/Texas-Instruments/INA826AIDR?qs=RqytGdBYyUFuQNJtlkA6aQ%3D%3D; Arrow Price/Stock: https://www.arrow.com/en/products/ina826aidr/texas-instruments?region=nac; LCSC: C38433
IC13 IC14 IC16 IC17 IC19 IC20 IC22 IC23 = -: Datasheet: http://www.ti.com/lit/gpn/tlv333; Description: 350 kHz, Low-Noise, RRIO, CMOS Operational Amplifier for Cost-Sensitive Systems; Height: 1.45; Manufacturer_Name: Texas Instruments; Mouser Part Number: 595-TLV333IDBVR; Mouser Price/Stock: https://www.mouser.co.uk/ProductDetail/Texas-Instruments/TLV333IDBVR?qs=n%252BTO0c4TDSbTbn2suQLlAQ%3D%3D; Arrow Price/Stock: https://www.arrow.com/en/products/tlv333idbvr/texas-instruments
IC1001-IC1003 IC32001 IC33001 IC34001 IC35001 = -: Datasheet: https://4donline.ihs.com/images/VipMasterIC/IC/ROHM/ROHM-S-A0002355662/ROHM-S-A0002355662-1.pdf?hkey=EF798316E3902B6ED9A73243A3159BB0; Description: Supervisory Circuits 3-42V SOP-J8 12A LDO Regulator; Height: 1.65; Manufacturer_Name: ROHM Semiconductor; Mouser Part Number: 755-BD42540FJ-CE2; Mouser Price/Stock: https://www.mouser.co.uk/ProductDetail/ROHM-Semiconductor/BD42540FJ-CE2?qs=zGux8KhMp6JowApuEUgCTw%3D%3D; LCSC: C308591
J12 J13 = -: LCSC: C9900157061; ki_fp_filters: Connector*:*_1x??_*
J1001 J1004 J1005 J1007 = -: Description: Generic screw terminal, single row, 01x12, script generated (kicad-library-utils/schlib/autogen/connector/); LCSC: C475123; ki_fp_filters: TerminalBlock*:*
J1003 J1006 = -: Description: Generic screw terminal, single row, 01x10, script generated (kicad-library-utils/schlib/autogen/connector/); LCSC: C475122; ki_fp_filters: TerminalBlock*:*